# Altium PCB ADDA.PcbDoc
Units mil, origin at the board's own origin, x right, y up, seen from the top; angles counter-clockwise.
Board outline 8374 x 6580 mil, 2 copper layers (Top Layer, Bottom Layer); 102 components, 121 nets, 406 pads, 0 vias.
Unrouted connection lines stored in the file: 20.
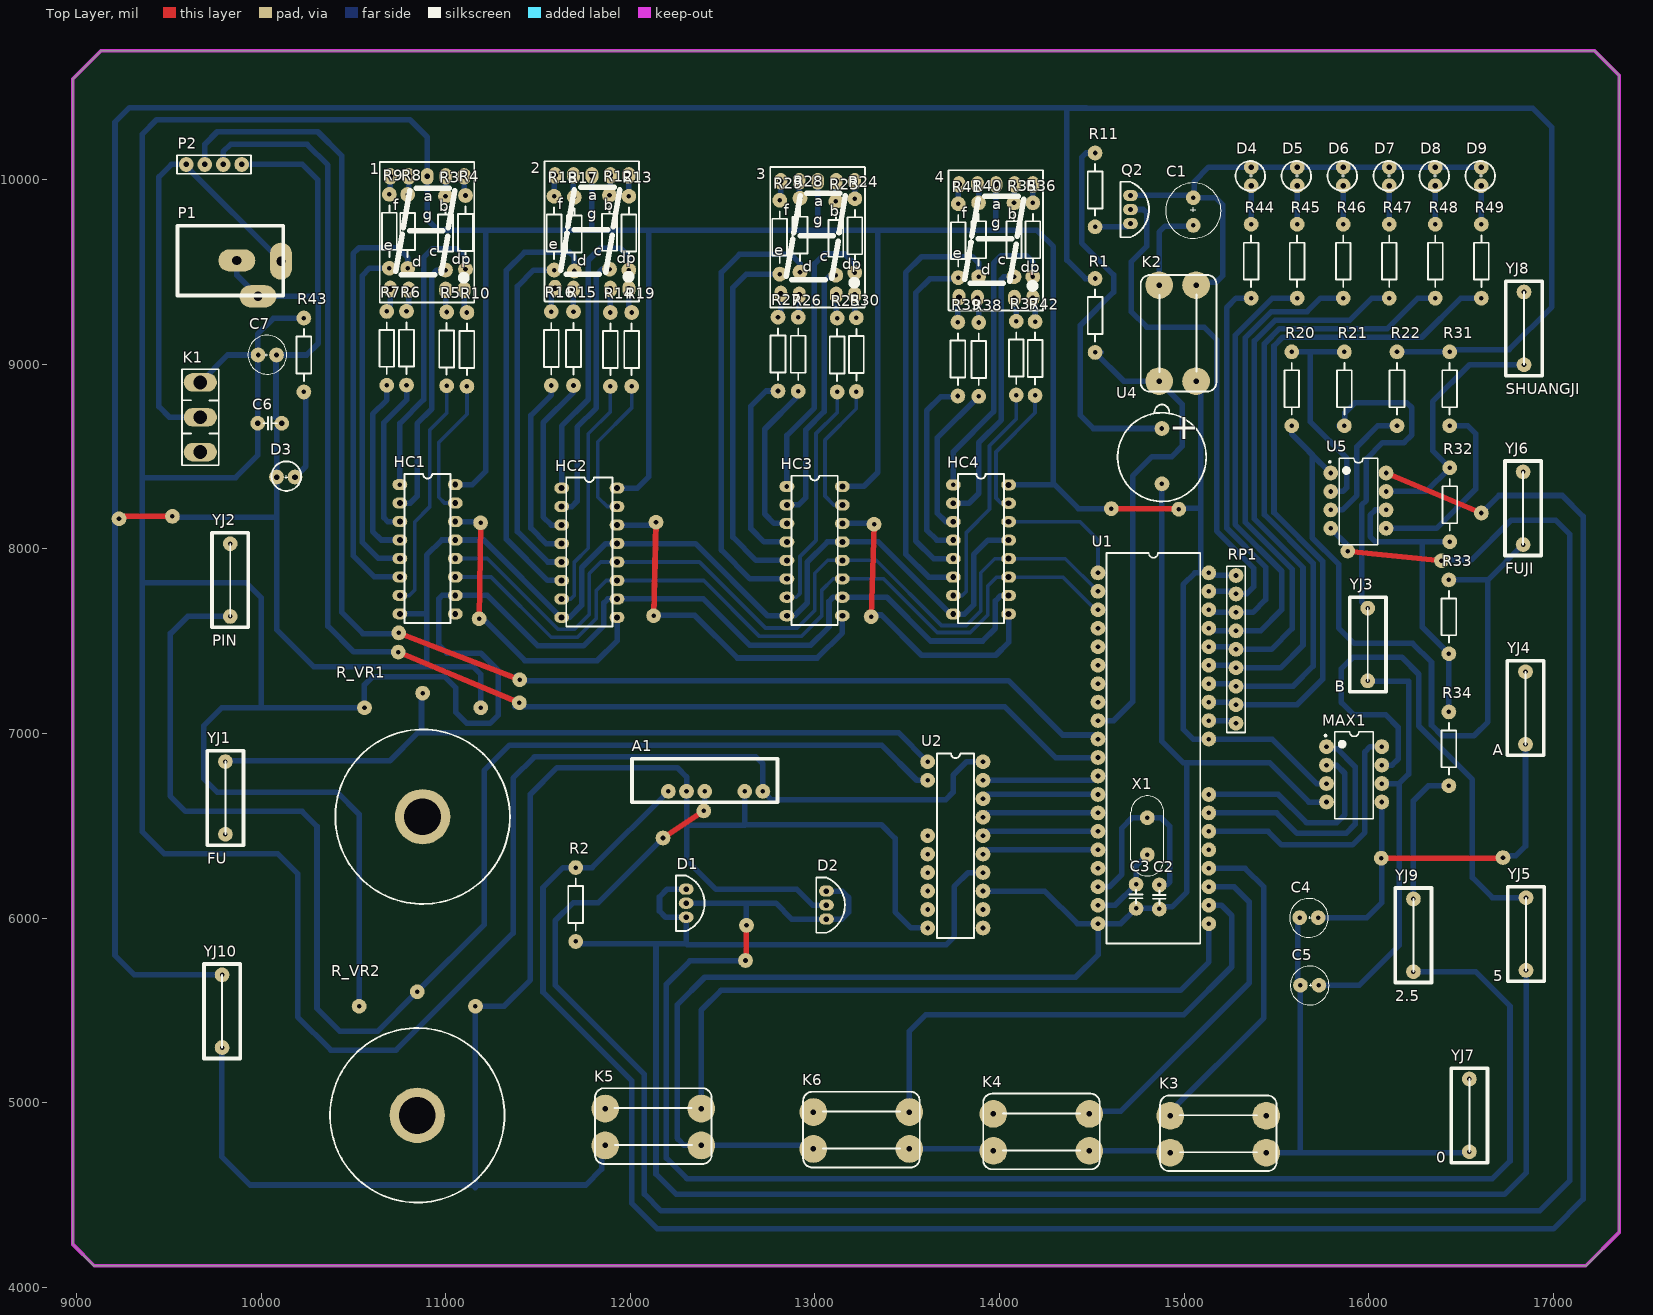
[diagram p0: Top Layer view]
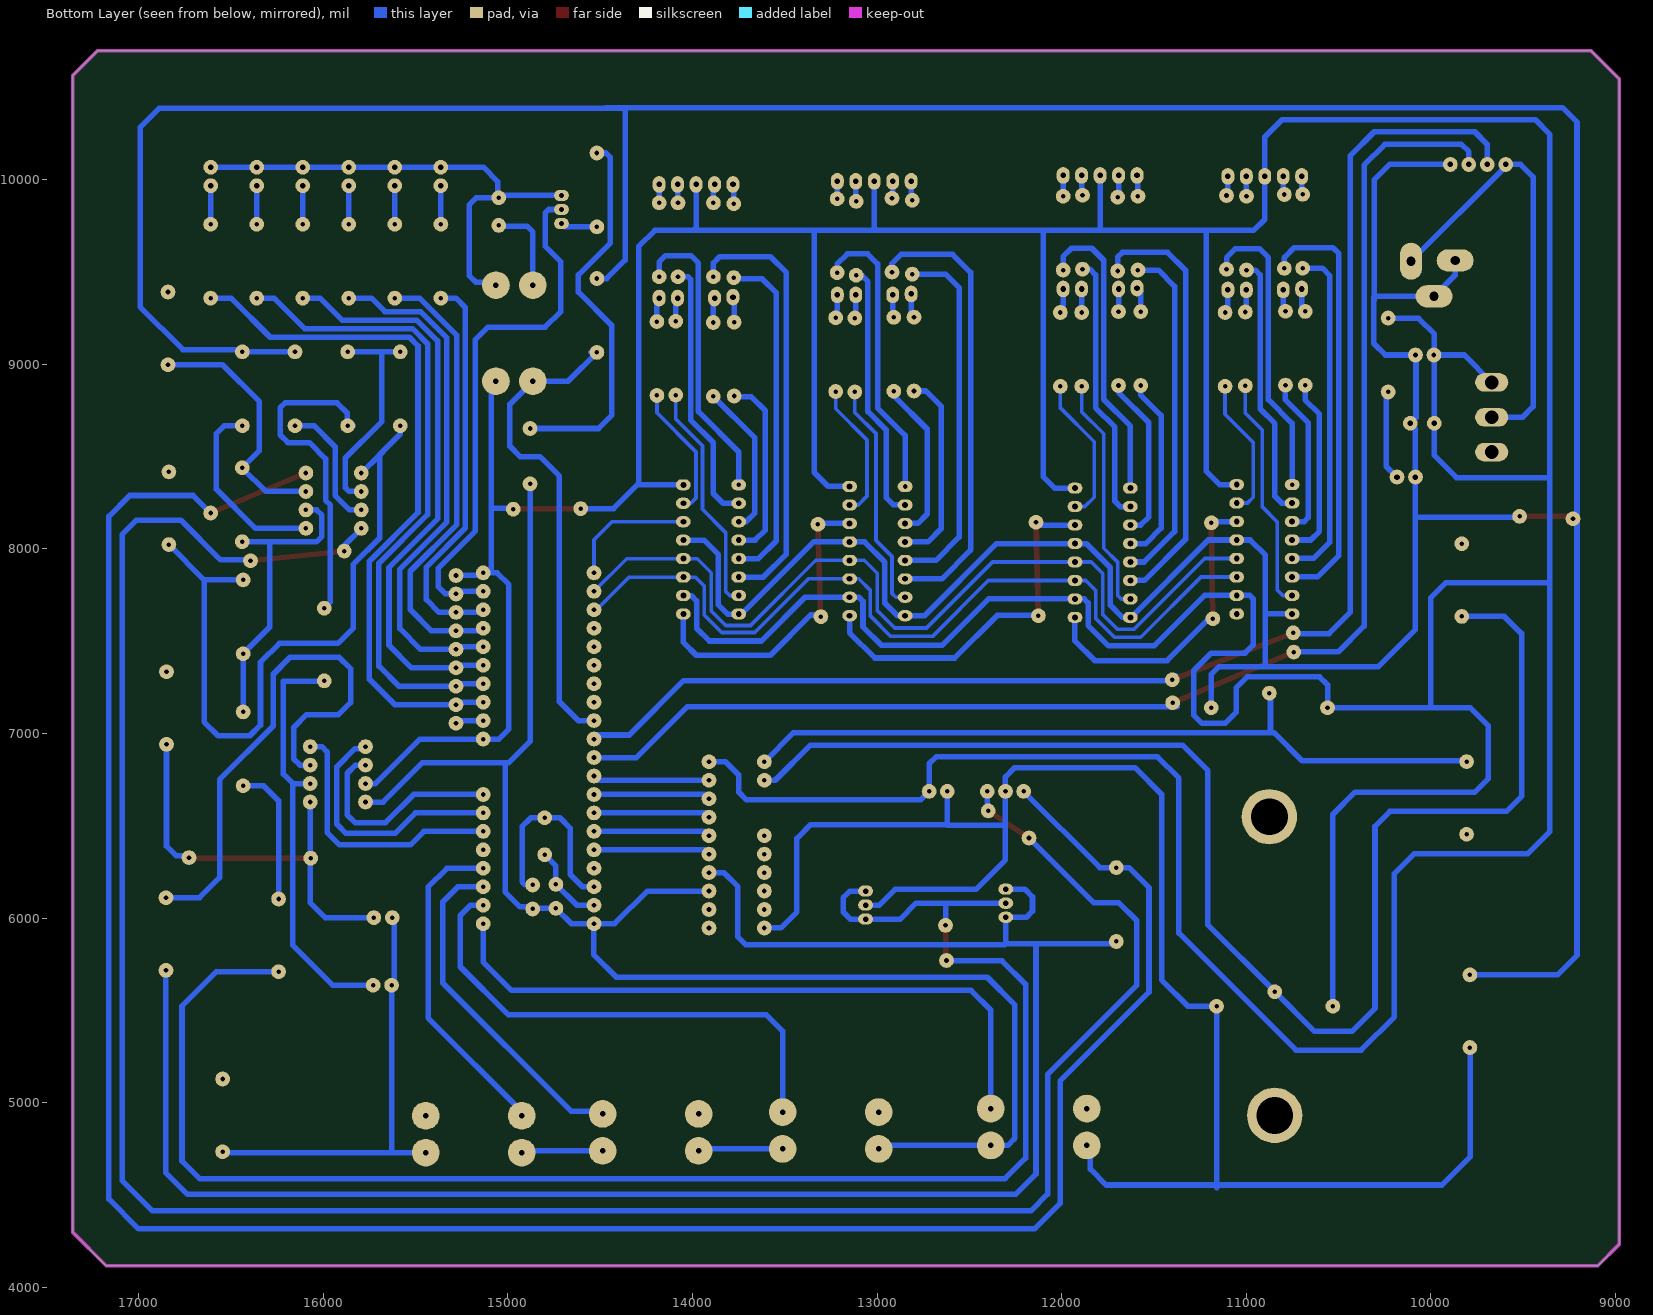
[diagram p1: Bottom Layer view, seen from below]
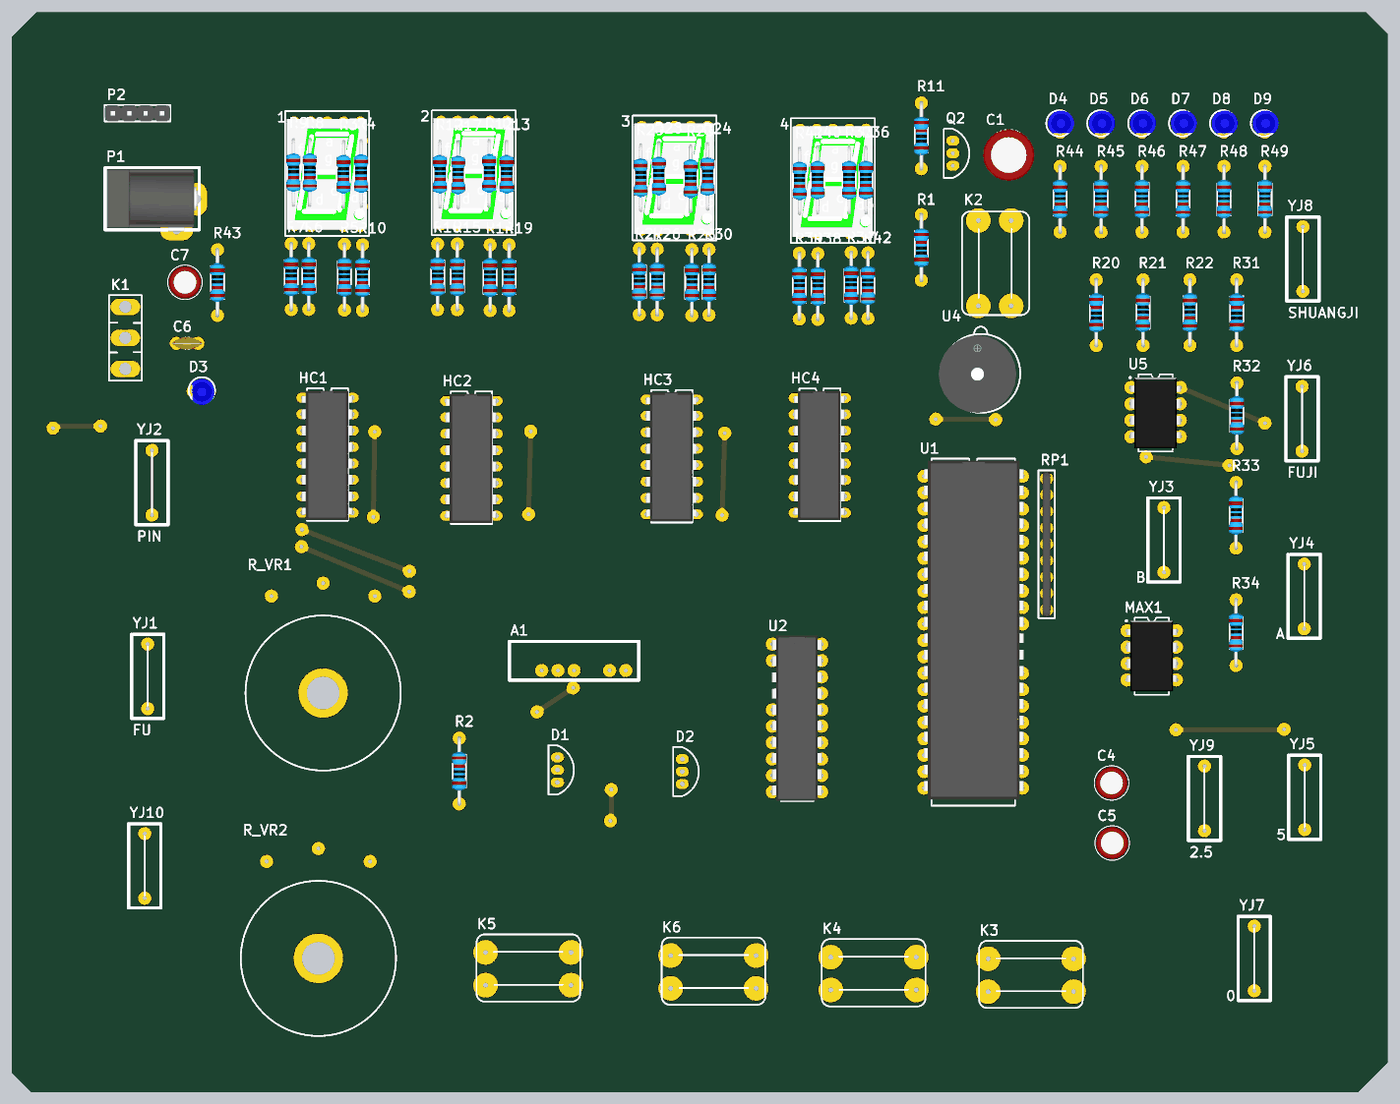
[diagram p2: 3D render of the assembled board from above, using the file's embedded part models]

## Layer stack, top to bottom
Top Solder: solder mask 0.4, Solder Resist, Dk 3.5
Top Layer: signal copper 1.4
Dielectric 1: dielectric 12.6, FR-4, Dk 4.8
Bottom Layer: signal copper 1.4
Bottom Solder: solder mask 0.4, Solder Resist, Dk 3.5

## Board outline
8981,4233 9097,4117 17174,4117 17355,4298 17355,10565 17223,10697 9132,10697 8981,10546

## Design rules (kind name [scope] priority, off if disabled: settings)
Clearance [All] p1: gap=10
PolygonConnect [All] p1: connectstyle=Relief reliefconductorwidth=10 reliefentries=4 polygonreliefangle="90 Angle" airgapwidth=10
RoutingVias [All] p1: holewidth=28 width=50 viastyle="Through Hole" minholewidth=28 minwidth=50 maxholewidth=28 maxwidth=50
SolderMaskExpansion [All] p1: expansion=4
Width power [InNet('VCC')] p1: maxlimit=60 minlimit=30 preferedwidth=40 minimp=50.000000 maximp=50.000000 favimp=50.000000
Width [All] p2: maxlimit=40 minlimit=20 preferedwidth=30 minimp=50.000000 maximp=50.000000 favimp=50.000000
30 further rules are at their usual default settings.

## Classes and differential pairs
component class U2: 1 2 3 4 C4 C5 D4 D5 D6 D7 D8 D9 HC1 HC2 HC3 HC4 MAX1 Q2 R3 R4 R5 R6 R7 R8 R9 R10 R11 R12 R13 R14 R15 R16 R17 R18 R19 R20 R21 R22 R23 R24 R25 R26 R27 R28 R29 R30 R31 R32 R33 R34 R35 R36 R37 R38 R39 R40 R41 R42 R44 R45 R46 R47 R48 R49 U4 U5 YJ3 YJ4 YJ5 YJ6 YJ7 YJ8 YJ9
component class U1: A1 C1 C2 C3 C6 C7 D1 D2 D3 K1 K2 K3 K5 K6 P1 P2 R1 R2 R43 R_VR1 R_VR2 U2 X1 YJ1 YJ2
component class ADDA: RP1 U1

## Components (designator, comment, footprint, x,y, rotation, side; value= is the part's Value field where it differs from the comment)
1 "DPY_RED" 7SEG_8 10900,9710 r0 top
2 "DPY_RED" 7SEG_8 11792,9715 r0 top
3 "DPY_RED" 7SEG_8 13015,9683 r0 top
4 "DPY_RED" 7SEG_8 13980,9666 r0 top
A1 "0509" 0509 12206,7415 r180 top
C1 "CAP_ELEC" CAP[25V] 15049,9902 r270 top
C2 "CAP" Cap-Dip#1 14865,6180 r270 top
C3 "CAP" Cap-Dip#1 14739,6183 r270 top
C4 "CAP_ELEC" CAP[16V] 15725,6003 r180 top
C5 "CAP_ELEC" CAP[16V] 15729,5637 r180 top
C6 "CAP" Cap-Dip#2 9982,8680 r0 top
C7 "CAP_ELEC" CAP[16V] 9984,9050 r0 top
D1 "TL431_" TO_92#1 12302,6157 r270 top
D2 "TL431_" TO_92#1 13062,6147 r270 top
D3 "LED" LED 10184,8389 r180 top
D4 "LED" LED 15362.67,10067 r270 top
D5 "LED" LED 15611.73,10067 r270 top
D6 "LED" LED 15860.8,10067 r270 top
D7 "LED" LED 16109.87,10067 r270 top
D8 "LED" LED 16358.93,10067 r270 top
D9 "LED" LED 16608,10067 r270 top
HC1 "74HC595" DIP_16#1 10752,8348 r0 top
HC2 "74HC595" DIP_16#2 11628,8329 r0 top
HC3 "74HC595" DIP_16#1 12848,8338 r0 top
HC4 "74HC595" DIP_16#1 13749,8347 r0 top
K1 "KEY_3" KEY_3 9671,8524 r90 top
K2 "BigButton" BigButton 14864,8908 r90 top
K3 "BigButton" BigButton 15444,4730 r180 top
K4 "BigButton" BigButton 14486,4740 r180 top
K5 "BigButton" BigButton 12384,4769 r180 top
K6 "BigButton" BigButton 13511,4750 r180 top
MAX1 "MAX522" DIP_8 15770,6929 r0 top
P1 "DC接口" DC接口 9680,9845 r90 top
P2 "H1X4" H2.54_1X4 9595,10082 r0 top
Q2 "9012/8550(PNP)" TO_92#2 14709,9914 r270 top
R1 "RES" RES_DIP 14517,9464 r270 top
R2 "128+" RES_DIP 11704,6274 r270 top
R3 "RES" RES_DIP 10999,9510 r90 top
R4 "RES" RES_DIP 11107,9514 r90 top
R5 "RES" RES_DIP 11005,8883 r90 top
R6 "RES" RES_DIP 10788,8887 r90 top
R7 "RES" RES_DIP 10681,8886 r90 top
R8 "RES" RES_DIP 10794,9519 r90 top
R9 "RES" RES_DIP 10695,9520 r90 top
R10 "RES" RES_DIP 11115,8880 r90 top
R11 "RES" RES_DIP 14517,10144 r270 top
R12 "RES" RES_DIP 11887,9515 r90 top
R13 "RES" RES_DIP 11992,9510 r90 top
R14 "RES" RES_DIP 11892,8880 r90 top
R15 "RES" RES_DIP 11692,8885 r90 top
R16 "RES" RES_DIP 11572,8885 r90 top
R17 "RES" RES_DIP 11697,9505 r90 top
R18 "RES" RES_DIP 11587,9510 r90 top
R19 "RES" RES_DIP 12007,8880 r90 top
R20 "20K" RES_DIP 15582,9067 r270 top
R21 "20k" RES_DIP 15867,8667 r90 top
R22 "50K" RES_DIP 16152,8667 r90 top
R23 "RES" RES_DIP 13113,9482 r90 top
R24 "RES" RES_DIP 13216,9496 r90 top
R25 "RES" RES_DIP 13120,8850 r90 top
R26 "RES" RES_DIP 12909,8854 r90 top
R27 "RES" RES_DIP 12800,8855 r90 top
R28 "RES" RES_DIP 12919,9499 r90 top
R29 "RES" RES_DIP 12809,9488 r90 top
R30 "RES" RES_DIP 13224,8852 r90 top
R31 "50K" RES_DIP 16437,9067 r270 top
R32 "21K" RES_DIP 16438,8039 r90 top
R33 "21K" RES_DIP 16433,7432 r90 top
R34 "21K" RES_DIP 16433,6717 r90 top
R35 "RES" RES_DIP 14078,9474 r90 top
R36 "RES" RES_DIP 14180,9474 r90 top
R37 "RES" RES_DIP 14090,8833 r90 top
R38 "RES" RES_DIP 13887,8826 r90 top
R39 "RES" RES_DIP 13774,8828 r90 top
R40 "RES" RES_DIP 13886,9474 r90 top
R41 "RES" RES_DIP 13776,9469 r90 top
R42 "RES" RES_DIP 14192,8831 r90 top
R43 "RES" RES_DIP 10232,8850 r90 top
R44 "RES" RES_DIP 15362,9358 r90 top
R45 "RES" RES_DIP 15611.4,9358 r90 top
R46 "RES" RES_DIP 15860.8,9358 r90 top
R47 "RES" RES_DIP 16110.2,9358 r90 top
R48 "RES" RES_DIP 16359.6,9358 r90 top
R49 "RES" RES_DIP 16609,9358 r90 top
R_VR1 "RES_VR" GUI_DA 11072,6825 r0 top
R_VR2 "RES_VR" GUI_DA 11043,5208 r0 top
RP1 "RES_PACK" RES_PACK 15280,7456 r270 top
U1 "STC89C51" DIP_40 14533,7870 r0 top
U2 "TLC2543" DIP_20 13610,6847 r0 top
U4 "BEEP" BEEP 14879,8652 r0 top
U5 "LM358" DIP_8 15793,8411 r0 top
X1 "XTAL" XTAL_DIP 14800,6344 r90 top
YJ1 "FU" DIP2 9807,6592 r0 top
YJ2 "PIN" DIP2 9833,7772 r0 top
YJ3 "B" DIP2 15994,7423 r0 top
YJ4 "A" DIP2 16848,7079 r0 top
YJ5 "5" DIP2 16851,5855 r0 top
YJ6 "FUJI" DIP2 16835,8161 r0 top
YJ7 "0" DIP2 16544,4873 r0 top
YJ8 "SHUANGJI" DIP2 16840,9135 r0 top
YJ9 "2.5" DIP2 16241,5848 r0 top
YJ10 "DIP2" DIP2 9789,5437 r0 top

## Footprints (in the part's own frame and the unit in brackets; to place one, negate y for a bottom-side part, rotate by r counter-clockwise, add the part's x,y. Pads: shape width x height; smd on the part's side, far side on the other; paste and mask are expansions set on the pad)
7SEG_8 [mil]
  oval 70x90 hole 30: 1(-200,307.5) 2(-100,307.5) 3(0,307.5) 4(100,307.5) 5(200,307.5) 6(-200,-302.5) 7(-100,-307.5) 9(100,-307.5) 10(200,-307.5)
  silkscreen extent -257,-376 255,384, body extent -246,-337 242,336
0509 [mil]
  round 80 hole 25: 1(-511.81,728.35) 2(-413.39,728.35) 3(-196.85,728.35) 4(-98.42,728.35) 5(0,728.35)
  silkscreen extent -591,551 197,787
BEEP [mil]
  round 80 hole 25: 1(0,0) 2(0,-300)
  silkscreen extent -240,-395 240,130, body extent -256,-396 216,76, height 354
BigButton [mil]
  round 150 hole 30: 1(0,0) 1(520,0) 2(0,-200) 2(520,-200)
  silkscreen extent -56,-310 575,100
Cap-Dip#1 [mil]
  round 80 hole 25: 1(0,0) 2(130,0)
  silkscreen extent 30,-35 105,35, body extent -32,-39 162,39, height 97
Cap-Dip#2 [mil]
  round 80 hole 30: 1(0,0) 2(130,0)
  silkscreen extent 30,-35 105,35, body extent -32,-39 162,39, height 97
CAP[16V] [mil]
  round 80 hole 25: 1(0,0) 2(100,0)
  silkscreen extent -55,-103 155,107, body extent -48,-97 148,100, height 433
CAP[25V] [mil]
  round 80 hole 25: 1(0,0) 2(150,0)
  silkscreen extent -80,-150 220,150, body extent -82,-157 232,157, height 472
DC接口 [mil]
  oval 200x120 hole 50: 1(-287,-428)
  oval 120x200 hole 50: 2(-477,-303) 3(-283,-189)
  silkscreen extent -473,-441 -95,132, body extent -484,-433 -106,122, height 477
DIP2 [mil]
  round 80 hole 25: 1(0,255.9) 2(0,-137.8)
  silkscreen extent -98,-197 98,315
DIP_8 [mil]
  round 80 hole 25: 1(0,0) 2(0,-100) 3(0,-200) 4(0,-300) 5(300,-300) 6(300,-200) 7(300,-100) 8(300,0)
  silkscreen extent -10,-390 254,80, body extent -5,-370 305,60, height 200
DIP_16#1 [mil]
  oval 80x60 hole 25: 1(0,0)
  oval 80x60 hole 32: 2(0,-100) 3(0,-200) 4(0,-300) 5(0,-400) 6(0,-500) 7(0,-600) 8(0,-700) 9(300,-700) 10(300,-600) 11(300,-500) 12(300,-400) 13(300,-300) 14(300,-200) 15(300,-100) 16(300,0)
  silkscreen extent 25,-750 275,58, body extent -8,-744 302,44, height 200
DIP_16#2 [mil]
  oval 80x60 hole 32: 1(0,0) 2(0,-100) 3(0,-200) 4(0,-300) 5(0,-400) 6(0,-500) 7(0,-600) 8(0,-700) 9(300,-700) 10(300,-600) 11(300,-500) 12(300,-400) 13(300,-300) 14(300,-200) 15(300,-100) 16(300,0)
  silkscreen extent 25,-750 275,58, body extent -8,-744 302,44, height 200
DIP_20 [mil]
  round 80 hole 25: 1(0,0) 2(0,-100) 5(0,-400) 6(0,-500) 7(0,-600) 8(0,-700) 9(0,-800) 10(0,-900) 11(300,-900) 12(300,-800) 13(300,-700) 14(300,-600) 15(300,-500) 16(300,-400) 17(300,-300) 18(300,-200) 19(300,-100) 20(300,0)
  silkscreen extent 52,-955 252,45, body extent -3,-955 303,53, height 177
DIP_40 [mil]
  round 80 hole 25: 1(0,0) 2(0,-100) 3(0,-200) 4(0,-300) 5(0,-400) 6(0,-500) 7(0,-600) 8(0,-700) 9(0,-800) 10(0,-900) 11(0,-1000) 12(0,-1100) 13(0,-1200) 14(0,-1300) 15(0,-1400) 16(0,-1500) 17(0,-1600) 18(0,-1700) 19(0,-1800) 20(0,-1900) 21(600,-1900) 22(600,-1800) 23(600,-1700) 24(600,-1600) 25(600,-1500) 26(600,-1400) 27(600,-1300) 28(600,-1200) 31(600,-900) 32(600,-800) 33(600,-700) 34(600,-600) 35(600,-500) 36(600,-400) 37(600,-300) 38(600,-200) 39(600,-100) 40(600,0)
  silkscreen extent 46,-2007 554,107, body extent -2,-1969 608,95, height 224
GUI_DA [mm]
  round 2.032 hole 0.635: 1(-13,8) 2(-5,10) 3(3,8)
  round 7.62 hole 5.08: ""(-5,-7)
  silkscreen extent -17,-19 7,5
H2.54_1X4 [mil]
  round 80 hole 30: 1(0,0) 2(100,0) 3(200,0) 4(300,0)
  silkscreen extent -50,-50 350,50, body extent -50,-50 350,50, height 336
KEY_3 [mil]
  oval 100x180 hole 75: 1(0,0) 2(188.98,0) 3(377.95,0)
  silkscreen extent -71,-100 449,100
LED [mil]
  round 80 hole 30: 1(0,0) 2(100,0)
  silkscreen extent -33,-85 127,75, body extent -32,-74 107,84, height 205
RES_DIP [mil]
  round 80 hole 25: 1(0,0) 2(400,0)
  silkscreen extent 60,-40 340,40, body extent -10,-44 412,44, height 94
RES_PACK [mil]
  round 80 hole 25: 1(-400,0) 2(-300,0) 3(-200,0) 4(-100,0) 5(0,0) 6(100,0) 7(200,0) 8(300,0) 9(400,0)
  silkscreen extent -450,-50 450,50, body extent -443,-25 443,24, height 209
TO_92#1 [mil]
  oval 60x80 hole 30: 1(0,0) 2(76,0) 3(152,0)
  silkscreen extent -74,-55 226,100, body extent -74,-57 226,98, height 243
TO_92#2 [mil]
  oval 60x80 hole 25: 1(0,0) 2(76,0) 3(152,0)
  silkscreen extent -74,-55 226,100, body extent -74,-57 226,98, height 243
XTAL_DIP [mil]
  round 80 hole 25: 1(0,0) 2(200,0)
  silkscreen extent -115,-89 318,89, body extent -123,-90 323,93, height 218

## Part data
K1: "乒乓开关"
P1: "电源接口"
Q2: "PNP"
R2 R20 R21 R22 R31 R32 R33 R34: library part RES
R_VR1 R_VR2: "滑动变阻器"
YJ1 YJ2 YJ3 YJ4 YJ5 YJ6 YJ7 YJ8 YJ9: library part DIP2

## Free pads (board coordinates)
  round 80 hole 25: 2(10746,7545) 3(10743,7441) 4(11401,7291) 5(11399,7167) 6(9520,8176) 7(9231,8163) 8(14605,8218) 9(14970,8215) 10(12398,6581) 12(12177,6434) 13(16393,7936) 14(15885,7988) 15(16609,8194) 16(11181,7622) 17(11189,8141) 18(12139,8144) 19(12126,7638) 20(13320,8133) 21(13304,7633) 22(16067,6325) 23(16726,6328) 24(12629,5961) 25(12624,5771)

## Nets (pads, with @x,y where several pads share a name; then routed paths per layer and width w, separated by ;. In a path a pad name is that pad's centre, name@x,y a point inside that pad or via, vN(x,y) a via of type N, cw(c..) or ccw(c..) an arc to the next point about the centre after c; other vN are vias at no path point)
595HCLK: HC1.11 HC2.11 HC3.11 HC4.11 U1.3 | length 4577.9
  Bottom Layer w20: HC1.11 11246,7848 11572,7522 11714,7522 11815,7623 11815,7775 11869,7829 HC2.11 12397,7829 12700,7526 12926,7526 13036,7636 13036,7775 13099,7838 HC3.11 13371,7838 13662,7547 13841,7547 13935,7641 13935,7797 13985,7847 HC4.11 14342,7847 14519,7670 U1.3
595LCLK: HC1.12 HC2.12 HC3.12 HC4.12 U1.2 | length 4829.8
  Bottom Layer w20: HC1.12 11225,7948 11608,7565 11698,7565 11777,7644 11777,7866 11840,7929 HC2.12 12374,7929 12732,7571 12904,7571 12999,7666 12999,7868 13069,7938 HC3.12 13332,7938 13685,7585 13819,7585 13898,7664 13898,7871 13974,7947 HC4.12 14356,7947 U1.2
A1: HC1.15 R10.1 | length 767.2
  Bottom Layer w20: HC1.15 10993,8248 10962,8279 10962,8576 11115,8729 R10.1
A2: HC1.1 R4.1 | length 1613.2
  Bottom Layer w30: HC1.1 10752,8680 10880,8808 10880,9577 10929,9626 11059,9626 11107,9578 R4.1
A3: HC1.2 R3.1 | length 1425.2
  Bottom Layer w30: HC1.2 10808,8248 10845,8285 10845,8679 10925,8759 10925,9484 10951,9510 R3.1
A4: HC1.3 R6.1 | length 864.6
  Bottom Layer w30: HC1.3 10686,8148 10665,8169 10665,8684 10788,8807 R6.1
A5: HC1.4 R7.1 | length 990.4
  Bottom Layer w30: R7.1 10681,8807 10604,8730 10604,8095 10651,8048 HC1.4
A6: HC1.5 R9.1 | length 1848.8
  Bottom Layer w30: R9.1 10588,9520 10547,9479 10547,8037 10636,7948 HC1.5
A7: HC1.6 R8.1 | length 2325.8
  Bottom Layer w30: HC1.6 10614,7848 10499,7963 10499,9599 10531,9631 10741,9631 10794,9578 R8.1
A8: HC1.7 R5.1 | length 1269.7
  Bottom Layer w20: HC1.7 10803,7748 10832,7777 10832,8146 10913,8227 10913,8643 11005,8735 R5.1
B1: HC2.15 R19.1 | length 800.9
  Bottom Layer w20: HC2.15 11875,8229 11824,8280 11824,8580 12007,8763 R19.1
B2: HC2.1 R13.1 | length 1632.2
  Bottom Layer w30: HC2.1 11628,8665 11772,8809 11772,9563 11837,9628 11947,9628 11992,9583 R13.1
B3: HC2.2 R12.1 | length 1448.9
  Bottom Layer w30: HC2.2 11683,8229 11712,8258 11712,8659 11816,8763 11816,9484 11847,9515 R12.1
B4: HC2.3 R15.1 | length 898.2
  Bottom Layer w30: HC2.3 11572,8129 11528,8173 11528,8683 11692,8847 R15.1
B5: HC2.4 R16.1 | length 1020.4
  Bottom Layer w30: R16.1 11572,8834 11461,8723 11461,8112 11544,8029 HC2.4
B6: HC2.5 R18.1 | length 1871.8
  Bottom Layer w30: R18.1 11476,9510 11388,9422 11388,8094 11553,7929 HC2.5
B7: HC2.6 R17.1 | length 2342.3
  Bottom Layer w30: HC2.6 11552,7829 11329,8052 11329,9509 11426,9606 11671,9606 11697,9580 R17.1
B8: HC2.7 R14.1 | length 1289.1
  Bottom Layer w20: HC2.7 11677,7729 11697,7749 11697,7929 11772,8004 11772,8623 11892,8743 R14.1
C1: HC3.15 R30.1 | length 750.3
  Bottom Layer w20: HC3.15 13102,8238 13054,8286 13054,8589 13224,8759 R30.1
C2: HC3.1 R24.1 | length 1578.9
  Bottom Layer w30: HC3.1 12848,8615 12997,8764 12997,9544 13051,9598 13161,9598 13216,9543 R24.1
C3: HC3.2 R23.1 | length 1407.7
  Bottom Layer w30: HC3.2 12911,8238 12951,8278 12951,8645 13049,8743 13049,9447 13080,9478 13109,9478 R23.1
C4: HC3.3 R26.1 | length 881.1
  Bottom Layer w20: R26.1@12909,8829 R26.1
  Bottom Layer w30: HC3.3 12779,8138 12728,8189 12728,8648 R26.1@12909,8829
C5: HC3.4 R27.1 | length 1069.4
  Bottom Layer w30: R27.1 12735,8855 12653,8773 12653,8109 12724,8038 HC3.4
C6: HC3.5 R29.1 | length 1980.4
  Bottom Layer w30: R29.1 12628,9488 12555,9415 12555,8064 12681,7938 HC3.5
C7: HC3.6 R28.1 | length 2455.9
  Bottom Layer w30: HC3.6 12649,7838 12493,7994 12493,9497 12591,9595 12869,9595 12919,9545 R28.1
C8: HC3.7 R25.1 | length 1254
  Bottom Layer w20: HC3.7 12898,7738 12919,7759 12919,7959 13006,8046 13006,8625 13120,8739 R25.1
D1: HC4.15 R42.1 | length 724.4
  Bottom Layer w20: HC4.15 14008,8247 13980,8275 13980,8525 14192,8737 R42.1
D2: HC4.1 R36.1 | length 1613.8
  Bottom Layer w30: HC4.1 13749,8525 13968,8744 13968,9548 14008,9588 14145,9588 14180,9553 R36.1
D3: HC4.2 R35.1 | length 1445.3
  Bottom Layer w30: HC4.2 13834,8247 13887,8300 13887,8576 14009,8698 14009,9460 14023,9474 R35.1
D4: HC4.3 R38.1 | length 831.7
  Bottom Layer w30: HC4.3 13709,8147 13662,8194 13662,8601 R38.1
D5: HC4.4 R39.1 | length 1014.9
  Bottom Layer w30: HC4.4 13660,8047 13605,8102 13605,8748 13682,8825 13771,8825 R39.1
D6: HC4.5 R41.1 | length 1851.6
  Bottom Layer w30: HC4.5 13642,7947 13545,8044 13545,9386 13622,9463 13770,9463 R41.1
D7: HC4.6 R40.1 | length 2353.1
  Bottom Layer w30: HC4.6 13616,7847 13491,7972 13491,9496 13577,9582 13853,9582 13886,9549 R40.1
D8: HC4.7 R37.1 | length 1255.4
  Bottom Layer w20: HC4.7 13797,7747 13820,7770 13820,8089 13945,8214 13945,8558 14090,8703 R37.1
END: A1.2 A1.4 C2.2 C3.2 C4.2 C5.2 C6.2 C7.2 D2.2 D3.2 HC1.8 HC1.13 HC2.8 HC2.13 HC3.8 HC3.13 HC4.8 HC4.13 K3.1 K4.1 K5.1 K6.1 MAX1.4 P1.2 P1.3 P2.4 pad.6 pad.7 R1.1 R22.2 R31.1 R_VR1.3 R_VR2.3 U1.20 U2.10 U2.13 U4.2 YJ7.1 YJ7.2 YJ10.1 YJ10.2 | length 48365.3
  Top Layer w30: pad.7 9244,8176 pad.6 pad.6@9507,8163
  Bottom Layer w30: pad.6@9518,8178 pad.6 9524,8172 10084,8172 ; YJ10.2@9787,5284.2 9787,4709 9941,4555 11759,4555 11845,4641 11845,4732 K5.1@11808,4769 ; YJ10.1 9314.09,5692.9 9209,5798 9209,10311 9288,10390 14469,10390 ; P1.3 9869,9482 P1.2 10304,9368 10310,9362 10310,9113 10247,9050 10081,9050 10081,8711 C6.2 10084,8652 D3.2 10084,8172 ; P2.4 10224,10082 10308,9998 10308,9345.5 ; HC1.8 10895,7648 ; 10897,7371 10897,7966 10979,8048 HC1.13 11206,8048 11625,7629 HC2.8 11671,7629 11737,7695 11737,7899 11867,8029 HC2.13 12353,8029 12744,7638 HC3.8 12888,7638 12958,7708 12958,7929 13067,8038 HC3.13 13343,8038 13734,7647 HC4.8 13809,7647 13859,7697 13859,7969 13937,8047 HC4.13 ; 11161.11,4541 R_VR2.3 11315.96,5522.96 11459,5666 11459,6671 11603,6815 12254,6815 12304.42,6764.57 A1.4 12304.42,6315.57 12464,6156 12902,6156 12987,6071 D2.2 ; R_VR1.3 11190.11,7319.89 11148,7362 10285,7362 10084,7563 10084,8172 ; 12304.42,6504 12619,6504 ; A1.2 12619.39,6506 13360,6506 13434,6432 13434,6034 13521,5947 U2.10 ; K6.1@12972,4769 12384,4769 12291,4769 12257,4803 12257,4805.57 12253,4809.57 12253,5530 12403,5680 14412,5680 14533,5801 U1.20 ; K6.1@13511,4750 K4.1@13956,4750 ; U2.13 14244,6147 14421,5970 U1.20 ; K4.1@14486,4740 K3.1@14914,4740 ; R1.1 14464,9464 14364,9564 14364,10386 16888,10386 16991,10283 16991,9311 16759,9079 16449,9079 R31.1 R22.2 R22.2@16137.33,9067 ; C3.2@14736,6050 14656,5970 U1.20 ; C3.2 14862,6053 C2.2 14876,6061 14933,6061 15014,6142 15014,6841 15015,6842 ; U4.2 14879,6957 14994,6842 15015,6842 ; K3.1@15444,4730 15631,4730 ; C4.2@15615,6003 15615,5645 C5.2@15621,5639 ; C5.2 15629,4732 15631,4730 ; MAX1.4 15675,6629 15462,6842 15015,6842 ; YJ7.2 16538.79,4730 15631,4730
Net1_1: 1.1 R9.2 | length 99.6
  Bottom Layer w30: R9.2 10700,9925 1.1
Net1_2: 1.2 R8.2 | length 101
  Bottom Layer w30: R8.2 10800,9925 1.2
Net1_4: 1.4 R3.2 | length 107.9
  Bottom Layer w30: R3.2 11000,9911 1.4
Net1_5: 1.5 R4.2 | length 106.4
  Bottom Layer w30: 1.5 11100,9921 R4.2
Net1_6: 1.6 R7.2 | length 129.4
  Bottom Layer w30: R7.2 10700,9305 1.6
Net1_7: 1.7 R6.2 | length 120.5
  Bottom Layer w30: R6.2 10800,9299 1.7
Net1_9: 1.9 R5.2 | length 121.6
  Bottom Layer w30: 1.9 11000,9288 R5.2
Net1_10: 1.10 R10.2 | length 128.7
  Bottom Layer w30: 1.10 11100,9295 R10.2
Net2_1: 2.1 R18.2 | length 114.6
  Bottom Layer w30: R18.2 11587,10017.5 2.1
Net2_2: 2.2 R17.2 | length 119.6
  Bottom Layer w30: 2.2 11692,9910 R17.2
Net2_4: 2.4 R12.2 | length 109.6
  Bottom Layer w30: R12.2 11892,9920 2.4
Net2_5: 2.5 R13.2 | length 112.5
  Bottom Layer w30: R13.2 2.5
Net2_6: 2.6 R16.2 | length 135.8
  Bottom Layer w30: R16.2 11572,9392.5 2.6
Net2_7: 2.7 R15.2 | length 122.5
  Bottom Layer w30: R15.2 2.7
Net2_9: 2.9 R14.2 | length 127.5
  Bottom Layer w30: R14.2 2.9
Net2_10: 2.10 R19.2 | length 133.7
  Bottom Layer w30: 2.10 11992,9295 R19.2
Net3_1: 3.1 R29.2 | length 105
  Bottom Layer w30: R29.2 12815,9894 3.1
Net3_2: 3.2 R28.2 | length 93.2
  Bottom Layer w30: 3.2 12915,9903 R28.2
Net3_4: 3.4 R23.2 | length 106.5
  Bottom Layer w30: R23.2@13115,9884 3.4
Net3_5: 3.5 R24.2 | length 94.9
  Bottom Layer w30: 3.5 13215,9897 R24.2
Net3_6: 3.6 R27.2 | length 131.7
  Bottom Layer w30: R27.2 12815,9270 3.6
Net3_7: 3.7 R26.2 | length 124
  Bottom Layer w30: R26.2 12915,9260 3.7
Net3_9: 3.9 R25.2 | length 127.6
  Bottom Layer w30: 3.9 13115,9255 R25.2
Net3_10: 3.10 R30.2 | length 127.2
  Bottom Layer w30: 3.10 13215,9261 R30.2
Net4_1: 4.1 R41.2 | length 106.2
  Bottom Layer w30: R41.2 13776,9969.5 4.1
Net4_2: 4.2 R40.2 | length 102
  Bottom Layer w30: 4.2 13886,9967.5 R40.2
Net4_4: 4.4 R35.2 | length 100.3
  Bottom Layer w30: R35.2 14078,9971.5 4.4
Net4_5: 4.5 R36.2 | length 99.5
  Bottom Layer w30: R36.2 4.5
Net4_6: 4.6 R39.2 | length 155.6
  Bottom Layer w30: R39.2 13774,9357.5 4.6 4.6@13780,9381.08
Net4_7: 4.7 R38.2 | length 135.4
  Bottom Layer w30: 4.7 13887,9351.5 R38.2
Net4_9: 4.9 R37.2 | length 129.6
  Bottom Layer w30: 4.9 14090,9348.5 R37.2
Net4_10: 4.10 R42.2 | length 132.5
  Bottom Layer w30: 4.10 14192,9346.5 R42.2
NetA1_3: A1.3 pad.10 pad.12 pad.13 pad.14 U5.4 | length 12949.7
  Top Layer w30: pad.12 pad.10 ; pad.14 pad.13
  Bottom Layer w30: pad.12 11826,6083 11690,6083 11593,5986 11593,5637 12076,5154 12076,4506 12167,4415 16924,4415 17088,4579 17088,8079 17011,8156 16771,8156 16555,7940 16404,7940 pad.13@16402,7938 ; pad.10@12400,6563 12402.85,6565.85 A1.3 ; U5.4 15888,8016 pad.14@15888,7977
NetA1_5: A1.5 pad.15 R2.1 U5.8 | length 12974.5
  Top Layer w30: U5.8 pad.15
  Bottom Layer w30: A1.5 11793.34,6274 R2.1 11636,6274 11527,6165 11527,5600 12007,5120 12007,4457 12147,4317 16999,4317 17160,4478 17160,8176 17047,8289 16704,8289 pad.15
NetC1_2: C1.2 K2.1 R1.2 U1.9 | length 3130.7
  Bottom Layer w30: U1.9 14618,7070 14720,7172 14720,8394 14826,8500 14933,8500 14989,8556 14989,8783 14864,8908 14673,8908 R1.2 R1.2@14549,9064 ; K2.1@14864,9428 14864,9716 14896,9748 15053,9748 C1.2
NetC2_1: C2.1 U1.18 X1.2 | length 1074.5
  Bottom Layer w30: U1.18 14594,6170 14662,6238 14662,6488 14718,6544 X1.2 14875,6544 14922,6497 14922,6196 14906,6180 C2.1
NetC3_1: C3.1 U1.19 X1.1 | length 439.1
  Bottom Layer w30: U1.19 14626,6070 C3.1 14739,6283 X1.1
NetC4_1: C4.1 MAX1.5 pad.22 pad.23 YJ4.1 YJ4.2 | length 2293
  Top Layer w30: pad.22 16723,6325 pad.23
  Bottom Layer w30: C4.1 15989,6003 16070,6084 MAX1.5 ; pad.23@16712,6337 16795,6337 16848,6390 YJ4.2
NetC5_1: C5.1 MAX1.6 R21.1 YJ3.1 YJ3.2 | length 4053.7
  Bottom Layer w30: C5.1 15948,5637 16165,5854 16165,6728 16164,6729 ; R21.1@15837.67,8667 15869,8698.33 15869,8736 15924,8791 16206,8791 16232,8765 16232,8617 16190,8575 16074,8575 15986,8487 15986,8263 15960,8237 15960,7712.9 YJ3.1 ; YJ3.2@15990,7282 16215,7282 16215,6780 16164,6729 ; MAX1.6 16164,6729
NetD1_1: D1.1 D1.3 MAX1.7 R2.2 U2.14 YJ5.1 YJ5.2 | length 13225.6
  Bottom Layer w30: R2.2 11717,5861 12302,5861 D1.3 ; 12139,5861 12139,4614 12249,4504 16734,4504 16851,4621 YJ5.2 ; D1.1 12200,6157 12158,6115 12158,6038 12191,6005 D1.3 ; U2.14 13830,6247 13754,6171 13754,5899 13712,5857 12309,5857 12302,5864 D1.3 ; MAX1.7 16125,6829 16159,6863 16159,7033 16090,7102 15917,7102 15851,7168 15851,7351 15913,7413 16178,7413 16270,7321 16270,7041 16560,6751 16560,6220 16669.1,6110.9 YJ5.1
NetD1_2: D1.2 D2.1 D2.3 pad.24 pad.25 R34.1 YJ9.1 YJ9.2 | length 9742.6
  Top Layer w30: pad.25 12629,5776 pad.24
  Bottom Layer w30: D1.2 12629,6081 ; pad.24 12629,6081 ; pad.25@12634,5769 12322,5769 12195,5642 12195,4701 12307,4589 16669,4589 16764,4684 16764,5524 16577.79,5710.2 YJ9.2 ; D2.1 13147,6147 13182,6112 13182,6032 13145,5995 D2.3 12874,5995 12788,6081 12629,6081 ; YJ9.1 16241,6636 16322,6717 R34.1
NetD3_1: D3.1 R43.1 | length 450
  Bottom Layer w30: D3.1 10242,8447 R43.1@10242,8815
NetD4_2: D4.2 R44.2 | length 209.3
  Bottom Layer w30: R44.2 15362,9966.33 D4.2
NetD5_2: D5.2 R45.2 | length 208.7
  Bottom Layer w30: R45.2 D5.2@15611.4,9966.67
NetD6_2: D6.2 R46.2 | length 209
  Bottom Layer w30: R46.2 D6.2
NetD7_2: D7.2 R47.2 | length 208.7
  Bottom Layer w30: R47.2 D7.2@16110.2,9966.67
NetD8_2: D8.2 R48.2 | length 208.3
  Bottom Layer w30: R48.2 D8.2@16359.6,9966.33
NetD9_2: D9.2 R49.2 | length 209.4
  Bottom Layer w30: D9.2 16608,9759 R49.2
NetHC4_14: HC4.14 U1.1 | length 703.6
  Bottom Layer w20: HC4.14 14435,8147 14533,8049 U1.1
NetK1_2: K1.2 P1.1 P2.1 | length 2404.3
  Bottom Layer w30: K1.2 9504.02,8712.98 9447,8770 9447,10014 9515,10082 P2.1 9595,10071 P1.1
NetK3_2: K3.2 U1.24 | length 1788.8
  Bottom Layer w30: K3.2@14924,4930 14924,4953 15431,5460 15431,6169 15330,6270 U1.24
NetK4_2: K4.2 U1.23 | length 1851.1
  Bottom Layer w30: K4.2@14486,4940 14501,4955 14657,4955 15352,5650 15352,6088 15270,6170 U1.23
NetK5_2: K5.2 U1.21 | length 3597.1
  Bottom Layer w30: K5.2@12384,4969 12384,5502 12491,5609 14979,5609 15133,5763 U1.21
NetK6_2: K6.2 U1.22 | length 2752.8
  Bottom Layer w30: K6.2@13511,4950 13511,5388 13601,5478 14998,5478 15257,5737 15257,6014 15201,6070 U1.22
NetMAX1_1: MAX1.1 U1.27 | length 1371.3
  Bottom Layer w30: U1.27 15500,6570 15611,6459 15876,6459 15926,6509 15926,6819 15827,6918 15781,6918 MAX1.1
NetMAX1_2: MAX1.2 U1.28 | length 1160
  Bottom Layer w30: U1.28 15509,6670 15662,6517 15827,6517 15869,6559 15869,6785 15825,6829 MAX1.2
NetMAX1_8: MAX1.8 U1.26 | length 1442.4
  Bottom Layer w30: U1.26 15454,6470 15527,6397 15910,6397 15978,6465 15978,6900 16007,6929 MAX1.8
NetP2_2: P2.2 pad.2 pad.4 U1.10 | length 7757.8
  Top Layer w30: pad.2 pad.4
  Bottom Layer w30: P2.2 9695,10191 9763,10259 10307,10259 10436,10130 10436,7657 10552,7541 pad.2@10746,7541 ; pad.4@11382,7312 11407,7287 14047,7287 14342,6992 14511,6992 U1.10
NetP2_3: P2.3 pad.3 pad.5 U1.11 | length 7618.2
  Top Layer w30: pad.3 pad.5
  Bottom Layer w30: P2.3 9795,10151 9835,10191 10250,10191 10362,10079 10362,7582 10502,7442 pad.3@10743,7442 ; pad.5@11375,7146 14027,7146 14303,6870 U1.11
NetQ2_2: Q2.2 RP1.2 U1.39 | length 2856.2
  Bottom Layer w30: Q2.2 14778,9838 14797.5,9818.5 14797.5,9639.5 14714,9556 14714,9284 14797,9201 15107,9201 15175,9133 15175,8097 15376,7896 15376,7794 15338,7756 RP1.2 ; U1.39 RP1.2@15266,7770
NetQ2_3: Q2.3 R11.2 | length 199.5
  Bottom Layer w30: R11.2 14691,9744 Q2.3
NetR11_1: R11.1 U4.1 | length 2097.6
  Bottom Layer w30: R11.1 14468,10144 14444,10120 14444,9657 14617,9484 14617,9391 14437,9211 14437,8723 14508,8652 U4.1
NetR20_1: R20.1 R21.2 U5.2 | length 1168
  Bottom Layer w30: R20.1 15683,9067 ; U5.2 15859,8311 15880,8332 15880,8491 15683,8688 15683,9067 ; R21.2@15837.67,9067 15683,9067
NetR20_2: R20.2 R33.2 U5.1 YJ6.1 YJ6.2 | length 3898.5
  Bottom Layer w30: R20.2 15582,8623 15693,8512 15693,8509 ; 15674,8528 15693,8509 ; U5.1 15791,8411 15693,8509 ; R33.2 16643.79,7832 ; YJ6.2 16643.79,7832 ; 15693,8509 15693,8060 15836,7917 15836,7572 15920,7488 16237,7488 16338,7387 16339,7387 16339,7046 16397,6988 16569,6988 16643.79,7062.8 16643.79,7832
NetR22_1: R22.1 U5.3 | length 687.9
  Bottom Layer w30: U5.3 15857,8211 15935,8289 15935,8553 16049,8667 R22.1@16137.33,8667
NetR31_2: R31.2 U5.5 | length 1032.6
  Bottom Layer w30: U5.5 16366,8111 16578,8323 16578,8624 16535,8667 R31.2
NetR32_1: R32.1 R33.1 R34.2 U5.6 | length 1638.3
  Bottom Layer w30: U5.6 16035,8211 16007,8183 16007,8067 16036,8038 16374,8038 ; 16289,8038 16289,7576 R33.1 R34.2 ; 16373,8039 R32.1
NetR32_2: R32.2 U5.7 YJ8.1 YJ8.2 | length 1372.5
  Bottom Layer w30: U5.7 16310,8311 R32.2 16345,8532 16345,8797 16545.21,8997.2 YJ8.2
NetR44_1: R44.1 RP1.3 U1.38 | length 2164.9
  Bottom Layer w30: U1.38 15147,7656 RP1.3 15372,7656 15441,7725 15441,7901 15230,8112 15230,9307 15281,9358 R44.1
NetR45_1: R45.1 RP1.4 U1.37 | length 2438.5
  Bottom Layer w30: U1.37@15147,7556 RP1.4 15413,7556 15528,7671 15528,7879 15275,8132 15275,9156 15477,9358 R45.1
NetR46_1: R46.1 RP1.5 U1.36 | length 2782.6
  Bottom Layer w30: U1.36 RP1.5@15266,7470 ; RP1.5 15472,7456 15584,7568 15584,7890 15331,8143 15331,9144 15472,9285 15665,9285 15738,9358 R46.1
NetR47_1: R47.1 RP1.6 U1.35 | length 3129.8
  Bottom Layer w30: U1.35 RP1.6@15266,7370 ; RP1.6 15521,7356 15643,7478 15643,7899 15380,8162 15380,9126 15493,9239 15897,9239 16016,9358 R47.1
NetR48_1: R48.1 RP1.7 U1.34 | length 3499.2
  Bottom Layer w30: U1.34 15266,7270 RP1.7 15589,7256 15698,7365 15698,7922 15434,8186 15434,9111 15516,9193 16100,9193 16265,9358 R48.1
NetR49_1: R49.1 RP1.8 U1.33 | length 3804.2
  Bottom Layer w30: U1.33 RP1.8@15266,7170 ; RP1.8 15611,7156 15750,7295 15750,7932 15486,8196 15486,9099 15533,9146 16286,9146 16498,9358 R49.1
NetR_VR1_2: R_VR1.2 U2.1 YJ1.1 YJ1.2 | length 4122.2
  Bottom Layer w30: YJ1.1 9811,6851.9 10696.91,6851.9 10848,7003 13454,7003 U2.1@13605.09,6851.9 ; 10869,7024 10869,7212.55 R_VR1.2
NetR_VR2_2: R_VR2.2 U2.2 YJ2.1 YJ2.2 | length 7657.6
  Bottom Layer w30: 9508,7543 9508,6662 9592,6578 10222,6578 10303,6497 10303,5511 10427,5387 10631.45,5387 R_VR2.2 11208,5963.55 11208,6799 11346,6937 13361,6937 13551,6747 U2.2 ; 9512,7543 9603.2,7634.2 YJ2.2
NetRP1_9: RP1.9 U1.32 | length 152.8
  Bottom Layer w30: U1.32 15266,7070 RP1.9
NetU1_12: U1.12 U2.19 | length 632.5
  Bottom Layer w30: U2.19 14510,6747 U1.12
NetU1_13: U1.13 U2.18 | length 632.5
  Bottom Layer w30: U2.18 13933,6670 U1.13
NetU1_14: U1.14 U2.17 | length 632.5
  Bottom Layer w30: U2.17 13933,6570 U1.14
NetU1_15: U1.15 U2.16 | length 632.5
  Bottom Layer w30: U2.16 13933,6470 U1.15
NetU1_16: U1.16 U2.15 | length 600
  Bottom Layer w30: U2.15@13933,6370 U1.16
Q2: HC1.14 HC2.9 pad.16 pad.17 | length 1650.4
  Top Layer w30: pad.16 pad.17
  Bottom Layer w30: HC1.14 11175,8148 pad.17@11178,8145 ; pad.16@11193,7631 11429,7395 11821,7395 11928,7502 HC2.9
Q3: HC2.14 HC3.9 pad.18 pad.19 | length 1979.7
  Top Layer w30: pad.19 pad.18
  Bottom Layer w30: HC2.14 12135,8129 pad.18@12141,8135 ; pad.19@12135,7640 12349,7640 12580,7409 13012,7409 13148,7545 HC3.9
Q4: HC3.14 HC4.9 pad.20 pad.21 | length 1674.8
  Top Layer w30: pad.21 pad.20
  Bottom Layer w30: HC3.14 13301,8138 pad.20@13304,8135 ; pad.21@13304,7642 13360,7642 13578,7424 13979,7424 14049,7494 HC4.9
VCC: 1.3 2.3 3.3 4.3 A1.1 C1.1 C6.1 C7.1 D4.1 D5.1 D6.1 D7.1 D8.1 D9.1 HC1.10 HC1.16 HC2.10 HC2.16 HC3.10 HC3.16 HC4.10 HC4.16 K1.3 K2.2 MAX1.3 pad.8 pad.9 Q2.1 R43.2 R_VR1.1 R_VR2.1 RP1.1 U1.31 U1.40 U2.20 | length 42084.2
  Top Layer w30: pad.8 14967,8218 pad.9
  Bottom Layer w30: 9357,8386 9862,8386 9982,8506 C6.1 9982,9163 10067,9248 R43.2@10228,9248 ; K1.3 9819.05,9050 C7.1@10009,9050 ; R_VR2.1 10531.19,6562.81 10411,6683 9762,6683 9689,6756 9689,7041 9787.96,7139.96 10000,7139.96 ; HC1.16 11145,8348 11218,8421 11218,9725 ; 2.3 11790,10020.5 11790,9725 ; HC2.16 12038,8329 12100,8391 12100,9725 ; 3.3 13015,9738 13002,9725 ; HC3.16 13264,8338 13341,8415 13341,9717 ; U2.20 13821,6847 13748,6774 13748,6682 13707,6641 12763.47,6641 A1.1 12717.81,6836.19 12680,6874 11481,6874 11365,6758 11365,5919 10731,5285 10378,5285 10198,5465 10198,6241 10091,6348 9476,6348 9357,6467 9357,7817 ; 4.3 13980,9741 13996,9725 ; HC4.10 14006,7747 13977,7718 13977,7570 13908,7501 13626,7501 13389,7738 HC3.10 13098,7738 13076,7716 13076,7578 12977,7479 12646,7479 12396,7729 HC2.10 11878,7729 11857,7708 11857,7586 11746,7475 11499,7475 11226,7748 HC1.10 10981,7748 10963,7730 10963,7479 11007,7435 11190,7435 11285,7340 11285,7100 11240,7055 11115,7055 11054,7116 11054,7249 10996,7307 10603,7307 10560.19,7264.19 R_VR1.1 10000,7139.96 ; HC4.16 14284,8347 ; pad.8 14427,8218 14291,8354 14291,9637 14203,9725 13996,9725 ; Q2.1 15037,9914 C1.1 ; pad.9@14979,8226 14986,8219 15089,8219 ; K2.2@15064,8908 15089,8883 15089,8219 ; K2.2@15064,9428 15080,9444 15173,9444 15208,9479 15208,9864 15170,9902 C1.1 ; U1.40@15147,7856 RP1.1 ; MAX1.3 15717,6729 15476,6970 U1.31 15048,6970 14994,7024 14994,7807 15057,7870 15089,7870 15089,8219 ; D9.1 D8.1 D7.1 D6.1 D5.1 D4.1 15132,10067 15053,9988 15053,9906 C1.1 ; 9357,7817 9357,10246 9435,10324 10806,10324 10900,10230 1.3 10900,9785 10960,9725 11218,9725 ; 9357,7817 9919,7817 10000,7736 10000,7139.96 ; 11218,9725 11790,9725 ; 11790,9725 12100,9725 ; 12100,9725 13002,9725 ; 13002,9725 13996,9725
pads on no net: HC1.9 K1.1 R_VR1. R_VR2. U1.4 U1.5 U1.6 U1.7 U1.8 U1.17 U1.25 U2.5 U2.6 U2.7 U2.8 U2.9 U2.11 U2.12

## Keep-outs
Keep-Out Layer:
  the board outline again, w20

## Text inside footprints (layer, text, board x,y; h text height)
1: Top Overlay "c" at 10910,9583.5 h60; Top Overlay "dp" at 11034,9541.5 h60; Top Overlay "e" at 10665,9618.5 h60; Top Overlay "d" at 10820,9528.5 h60; Top Overlay "a" at 10880,9883.5 h60; Top Overlay "g" at 10875,9783.5 h60; Top Overlay "b" at 10965,9828.5 h60; Top Overlay "f" at 10715,9833.5 h60
2: Top Overlay "f" at 11607,9838.5 h60; Top Overlay "b" at 11857,9833.5 h60; Top Overlay "g" at 11767,9788.5 h60; Top Overlay "a" at 11772,9888.5 h60; Top Overlay "d" at 11712,9533.5 h60; Top Overlay "e" at 11557,9623.5 h60; Top Overlay "dp" at 11926,9546.5 h60; Top Overlay "c" at 11802,9588.5 h60
3: Top Overlay "c" at 13025,9556.5 h60; Top Overlay "dp" at 13149,9514.5 h60; Top Overlay "e" at 12780,9591.5 h60; Top Overlay "d" at 12935,9501.5 h60; Top Overlay "a" at 12995,9856.5 h60; Top Overlay "g" at 12990,9756.5 h60; Top Overlay "b" at 13080,9801.5 h60; Top Overlay "f" at 12830,9806.5 h60
4: Top Overlay "c" at 13990,9539.5 h60; Top Overlay "dp" at 14114,9497.5 h60; Top Overlay "e" at 13745,9574.5 h60; Top Overlay "d" at 13900,9484.5 h60; Top Overlay "a" at 13960,9839.5 h60; Top Overlay "g" at 13955,9739.5 h60; Top Overlay "b" at 14045,9784.5 h60; Top Overlay "f" at 13795,9789.5 h60
U4: Top Overlay "+" at 14919,8547 h240